# Altium PCB uTCA_MCH_PCB3.pcbdoc (part 14 of 25) (continued)
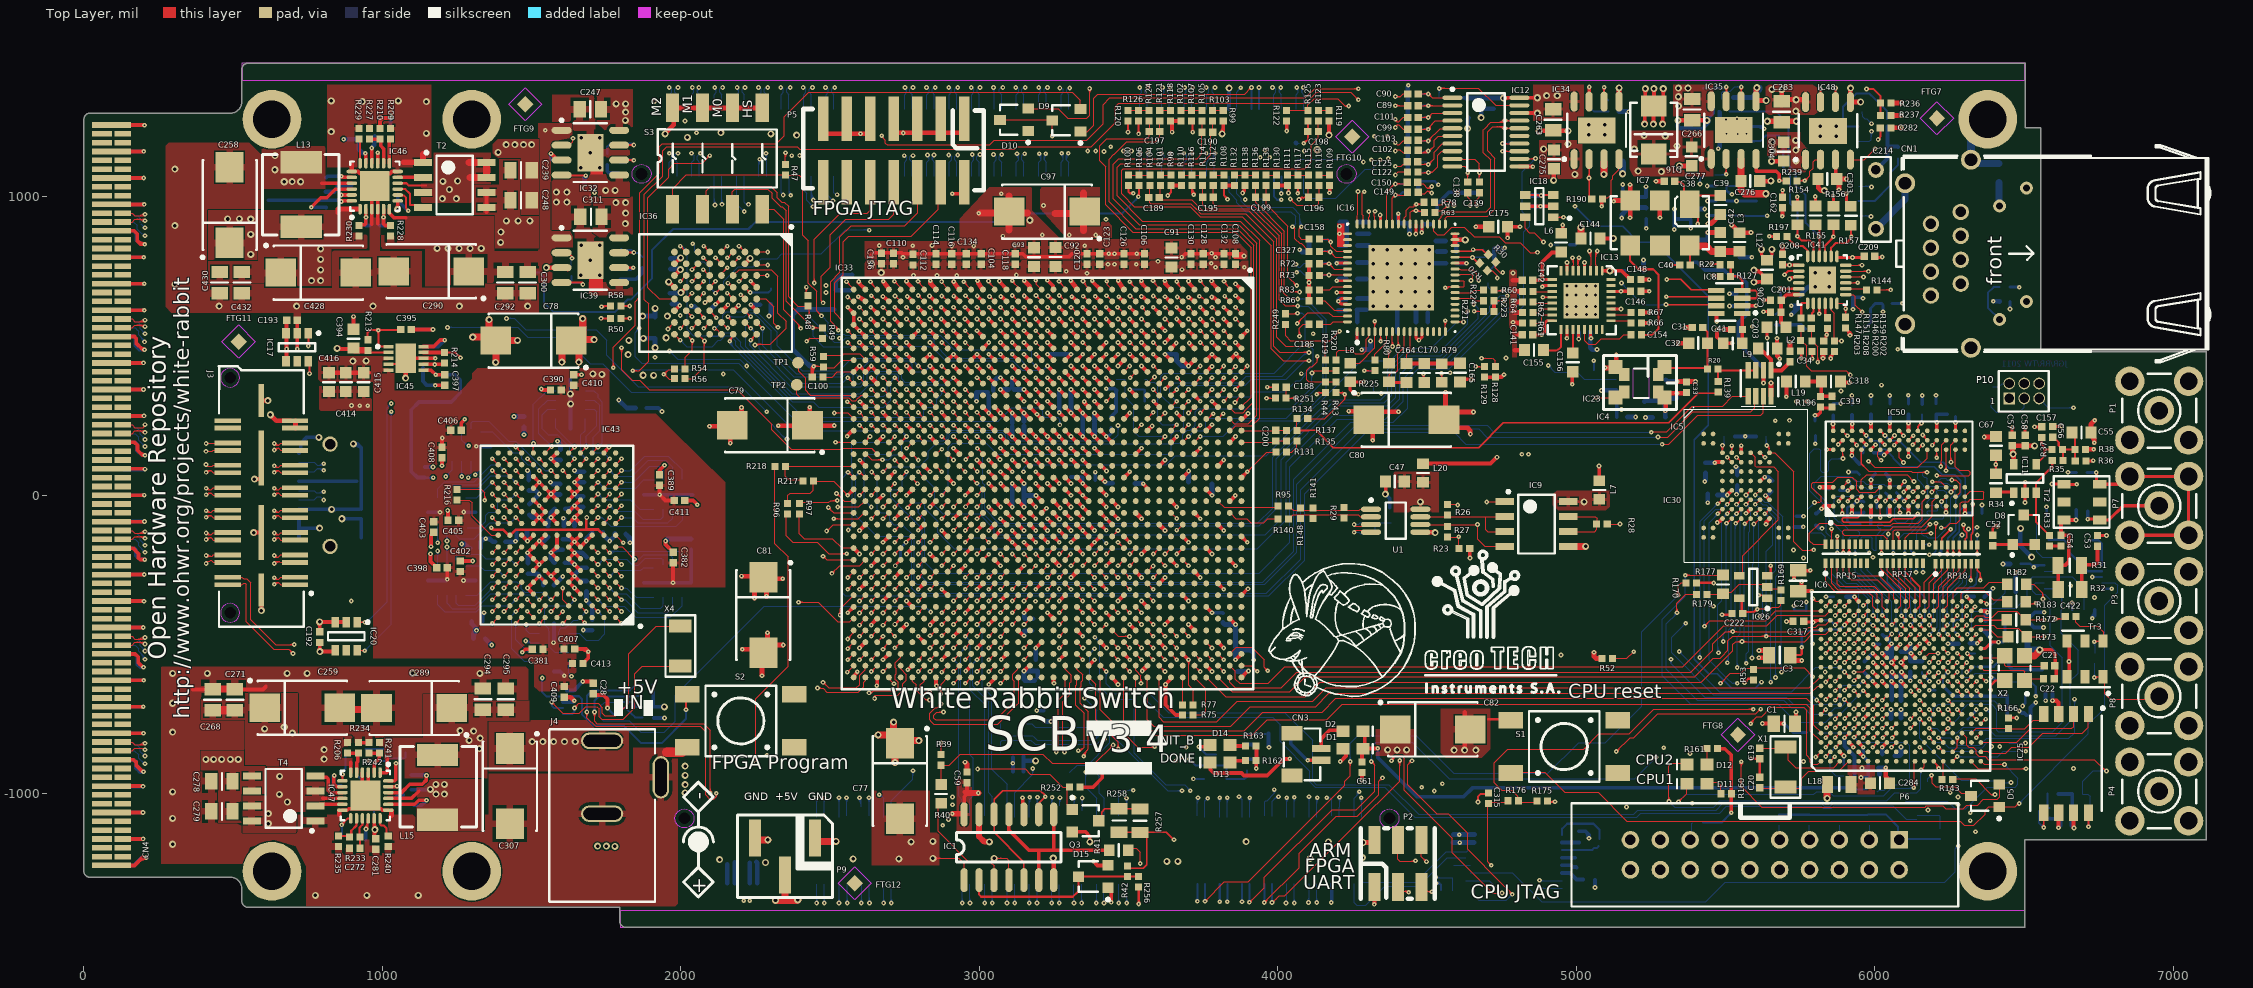
[diagram p0: Top Layer view]
## Nets (pads, with @x,y where several pads share a name; then routed paths per layer and width w, separated by ;. In a path a pad name is that pad's centre, name@x,y a point inside that pad or via, vN(x,y) a via of type N, cw(c..) or ccw(c..) an arc to the next point about the centre after c; other vN are vias at no path point) (continued)
  MidLayer2 w3.94: v1@5312.75,-545.04 ccw(c5302.67,-534.96) 5316.93,-534.96 ccw(c5331.19,-534.96) v1@5321.1,-545.04 ; v1(5316.93,-549.21) 5316.93,-265.95 5397.56,-185.32 5397.72,-185.32 5487.74,-95.29 5487.74,135.28 5519.16,166.7 v1@5521.76,166.7 ; 5507.08,154.62 cw(c5520.88,140.81) v1@5520.88,160.34 ; 5512.35,159.89 ccw(c5505.99,166.24) v1@5514.98,166.24 ; 5513.8,161.34 cw(c5520.88,154.25) v1@5520.88,164.27
  Bottom Layer w3.94: v1@5312.86,-553.49 cw(c5303.81,-562.99) 5316.93,-562.99 ; v1(5316.93,-549.21) 5316.93,-562.99 ; v1@5321,-553.49 ccw(c5330.05,-562.99) 5316.93,-562.99 ; 5946.45,-635.55 cw(c5961.34,-650.45) v1@5961.34,-629.39 ; 5953.17,-628.83 cw(c5961.34,-637.01) v1@5961.34,-625.45 ; 5953.25,-628.75 ccw(c5947.98,-623.48) v1@5955.43,-623.48 ; v1(5961.34,-623.48) 5958.52,-623.48 5945,-637 5894.87,-637 5884.5,-647.37 5884.5,-691.5 5875.75,-700.25 5727.25,-700.25 5703.29,-676.29 5430.23,-676.29 5316.93,-562.99
NAND_CE: IC26.2 R169.1 R177.1 R179.1 | length 267.6
  Top Layer w3.94: R179.1@5438.23,-331.85 5484.57,-331.85 5491.02,-325.39 5518.61,-325.39 5545,-299 5649.5,-299 IC26.2@5651.18,-297.32 ; IC26.2@5641.63,-313.03 5641.97,-313.37 R169.1@5681.86,-313.37
NAND_CLE: IC6.A7 IC30.D5 | length 1487.2
  Top Layer w3.94: v1@5536.63,120.97 cw(c5536.63,106.71) 5546.71,116.79 cw(c5556.8,126.87) v1@5542.54,126.87 ; v1(5536.63,126.87) IC30.D5@5552.38,111.12 ; v1@5805,-691.91 cw(c5805,-706.16) 5815.08,-696.08 cw(c5825.16,-686) v1@5810.91,-686 ; v1(5805,-686) 5819.61,-700.61 IC6.A7@5819.61,-702.22
  MidLayer2 w3.94: v1(5366.14,-429.13) 5424,-371.28 5424,-261.99 5550.23,-135.76 5550.23,112.73 v1@5535.8,127.16 ; v1@5366.14,-423.23 ccw(c5366.14,-408.97) 5376.22,-419.05 ccw(c5386.3,-429.13) v1@5372.05,-429.13 ; v1@5536.63,120.97 cw(c5536.63,108.03) 5545.78,117.18 ; v1@5542.54,126.87 ccw(c5558.11,126.87) 5547.1,115.86
  Bottom Layer w3.94: v1@5360.24,-429.13 cw(c5345.98,-429.13) 5356.06,-439.22 cw(c5366.14,-449.3) v1@5366.14,-435.04 ; v1(5366.14,-429.13) 5318.9,-476.38 5318.9,-527.56 5458.89,-667.55 5786.55,-667.55 v1(5805,-686) ; v1@5799.09,-686 ccw(c5784.84,-686) 5794.92,-675.92 ccw(c5805,-665.84) v1@5805,-680.09
NAND_OE: IC6.D10 IC30.D4 | length 1560.1
  Top Layer w3.94: v1@5505.14,120.97 cw(c5505.14,106.71) 5515.22,116.79 cw(c5525.3,126.87) v1@5511.04,126.87 ; v1(5505.14,126.87) IC30.D4@5520.88,111.12 ; v1@5897.48,-591.11 IC6.D10@5914.09,-607.73 ; v1@5898.33,-597.89 cw(c5898.33,-612.17) 5908.43,-602.07 ; v1@5904.24,-591.98 ccw(c5918.47,-591.98) 5908.41,-602.05
  MidLayer2 w3.94: v1@5340.31,-519.45 ccw(c5330.23,-509.36) 5344.49,-509.36 ccw(c5358.75,-509.36) v1@5348.66,-519.45 ; v1@5342.93,-522.07 v1(5344.49,-523.62) 5344.49,-419.94 5386.28,-378.15 5386.28,-246.99 5519.69,-113.58 5519.69,112.84 v1@5505.63,126.9 ; v1@5505.14,120.97 cw(c5505.14,105.45) 5516.11,116.42 ; v1@5511.04,126.87 ccw(c5524.04,126.87) 5514.85,117.68
  Bottom Layer w3.94: v1@5344.49,-529.53 cw(c5344.49,-543.78) 5354.57,-533.7 cw(c5364.65,-523.62) v1@5350.39,-523.62 ; v1(5344.49,-523.62) 5372.05,-551.18 5478.35,-657.48 5721.52,-657.48 5802,-577 5883.35,-577 v1(5898.33,-591.98) ; v1@5892.43,-591.98 ccw(c5878.17,-591.98) 5888.25,-581.9 ccw(c5898.33,-571.82) v1@5898.33,-586.08
NAND_RB: IC6.E8 IC30.C8 R168.1 | length 1218.1
  Top Layer w3.94: v1@5633.29,170.14 5646.87,156.56 ; v1@5638.01,160.65 cw(c5638.01,149.15) 5646.14,157.28 ; v1@5643.85,165.69 ccw(c5654.43,164.12) 5646.87,156.56 ; 5778.14,-184.08 ccw(c5778.14,-166.14) v1@5790.82,-178.82 ; 5783.35,-184.08 cw(c5783.35,-194.65) v1@5790.82,-187.18 ; v1@5794,-182 v1(5795,-183) ; v1@5795.93,-184.08 5757.43,-184.08 5728.79,-155.44 5728.79,79.24 5665.41,142.62 5646.87,142.62 5646.87,156.56 ; v1@5929.84,-660.88 cw(c5929.84,-675.14) 5939.92,-665.06 cw(c5950.01,-654.98) v1@5935.75,-654.98 ; v1(5929.84,-654.98) IC6.E8@5945.59,-670.72
  MidLayer1 w3.94: v1@5790.82,-187.18 cw(c5780.28,-197.72) 5795.19,-197.72 ; v1(5795,-183) 5795.19,-183.19 5795.19,-225.19 5947,-377 5947,-570 5939.5,-577.5 5919.5,-577.5 5913,-584 5913,-638.13 v1(5929.84,-654.98) ; 5795.19,-196.8 cw(c5808.8,-196.8) v1@5799.18,-187.18 ; v1@5923.94,-654.98 ccw(c5909.68,-654.98) 5919.76,-644.9 ccw(c5929.84,-634.81) v1@5929.84,-649.07
  Bottom Layer w3.94: v1@5633.83,170.73 ccw(c5629.27,175.3) 5635.73,175.3 ; v1@5635.73,166.68 R168.1@5635.73,197.54 ; 5635.73,176.82 ccw(c5648.28,176.82) v1@5639.4,167.95 ; R168.1@5635.73,186.33 ccw(c5657.78,186.33) v1@5642.19,170.73
  other v1: 5638.01,166.56
NAND_WE: IC6.E10 IC30.C7 | length 1079
  Top Layer w3.94: IC30.C7@5615.37,142.62 5616.2,142.62 v1(5631.79,127.03) ; v1@5625.88,127.03 ccw(c5611.63,127.03) 5621.71,137.11 ccw(c5631.79,147.19) v1@5631.79,132.94 ; v1(5930,-621) 5943.27,-607.73 IC6.E10@5945.59,-607.73 ; v1@5930,-615.09 ccw(c5930,-600.84) 5940.08,-610.92 ccw(c5950.16,-621) v1@5935.91,-621
  MidLayer1 w3.94: v1@5627.61,122.85 cw(c5615.7,110.94) 5632.55,110.94 ; v1@5632.03,128.2 5632.55,127.68 5632.55,98.36 5704,26.91 5704,-30.56 5703.99,-78.48 5761.65,-136.14 5780.55,-136.14 5830,-185.59 5830,-239.56 5877.44,-287 5915,-287 5978,-350 5978,-573 v1(5930,-621) ; 5632.55,114.61 cw(c5644.21,114.61) v1@5635.97,122.85 ; v1@5930,-615.09 ccw(c5930,-600.84) 5940.08,-610.92 ccw(c5950.16,-621) v1@5935.91,-621
NetC19_2: C19.2 IC6.C1 X1.1 | length 318.9
  Top Layer w4: C19.2@5614.04,-846.77 X1.1@5697.37,-846.77 ; X1.1@5710.28,-844.28 5710.28,-888.43 5734.5,-912.65 5861.45,-912.65 5882.6,-891.5 IC6.C1@5882.6,-891.2
NetC20_2: C20.2 IC6.D1 X1.2 | length 333.9
  Top Layer w4: C20.2@5615.88,-981.76 X1.2@5696.24,-981.76 ; X1.2@5710.9,-981.03 5745.91,-981.03 5755.1,-971.84 5755.1,-948.04 5778.48,-924.66 ; 5779.32,-924.63 5879.41,-924.63 5912.84,-891.2 IC6.D1@5914.09,-891.2
NetC21_2: C21.2 IC6.V12 X2.3 | length 235
  Top Layer w3.94: IC6.V12@6355.04,-544.74 6355.56,-544.22 6421.45,-544.22 X2.3@6421.97,-544.74 ; X2.3@6434.72,-537.93 6434.72,-570.25 6437.68,-573.2 6532.17,-573.2 ; 6532.2,-573.17 C21.2@6568.88,-573.17
NetC22_2: C22.2 IC6.V11 X2.1 | length 234.2
  Top Layer w3.94: IC6.V11@6355.04,-576.24 6364.57,-585.76 6497.01,-585.76 6502.68,-591.43 X2.1@6502.68,-601.83
  Top Layer w4: X2.1@6501.65,-620.61 6507.54,-614.72 C22.2@6569.06,-614.72
NetC31_2: C31.2 C32.2 IC4.1 IC23.1 R20.2 | length 274.8
  Top Layer w7: IC4.1@5299.14,426.44 R20.2@5438.54,426.44 ; C31.2@5423.58,562.05 5439.68,545.95 C32.2@5439.68,509.41 R20.2@5439.68,433.29
NetC34_2: C34.2 IC5.1 L2.1 | length 171.5
  Top Layer w12.6: L2.1@5609.21,495.55 5611.45,495.55 5652.17,454.83 IC5.1@5652.17,418.31 5686.93,418.31 C34.2@5715.51,446.89
NetC38_2: C38.2 C39.2 IC7.1 R22.2 | length 551.5
  Top Layer w6.89: C38.2@5327.72,1050 5350,1050 5360,1040 5360,995 5380.25,974.75 IC7.1@5380.25,974.12 ; v1@5403.87,912.13 ccw(c5396.31,919.69) 5407,919.69 ccw(c5417.69,919.69) v1@5410.13,912.13 ; v1(5407,909) 5407,948 5405,950 5404.37,950 IC7.1@5380.25,974.12 ; v1(5452,774) 5479.9,774 R22.2@5481.65,772.24 ; v1@5455.13,770.87 cw(c5462.69,763.31) 5462.69,774 cw(c5462.69,784.69) v1@5455.13,777.13 ; C39.2@5482.4,1003.86 5409.99,1003.86 IC7.1@5380.25,974.12
  MidLayer4 w6.89: v1@5403.87,905.87 cw(c5393.89,895.89) 5408,895.89 ; 5408,900.72 cw(c5415.28,900.72) v1@5410.13,905.87 ; v1@5408,908 5408,873 5452,829 v1(5452,774) ; v1@5448.87,777.13 ccw(c5441.31,784.69) 5452,784.69 ccw(c5462.69,784.69) v1@5455.13,777.13
NetC40_1: C40.1 C42.1 IC7.6 L3.1 | length 236.7
  Top Layer w7: IC7.6@5380.25,836.12 5381.26,835.11 C40.1@5381.26,772.8
  Top Layer w23.62: IC7.6@5381.37,835 5435,835 5453.15,816.85 L3.1@5546.77,816.85
NetC41_2: C41.2 IC8.1 L9.1 | length 104.8
  Top Layer w12: IC8.1@5555.67,608.9 5555.67,508.54 L9.1@5558.78,505.43
NetC43_1: C43.1 C45.2 C47.2 L20.1 U1.8 | length 0.4
  Top Layer w3.94: v2@4477.4,-22.27 v2(4477.71,-21.96)
NetC44_2: C44.2 C46.2 IC9.8 L7.1 | length 53.6
  Top Layer w3.94: IC9.8@4972.84,-21.6 5025.57,-21.6 v2(5026.19,-22.22)
NetC52_2: C52.2 D8.1 D8.2 | length 143.4
  Top Layer w10: C52.2@6394.76,-169.61 6399.65,-164.72 D8.1@6461.31,-164.72 D8.2@6536.12,-164.72
NetC53_1: C53.1 R31.1 R32.1 | length 181
  Top Layer w12.6: R32.1@6693.04,-315.3 R31.1@6693.04,-239.72 ; R31.1@6696.1,-233.04 6738.18,-233.04 6745.72,-225.5 C53.1@6745.72,-173.67 ; C53.1@6744.97,-170.01 C53.1@6745.55,-170.59
NetC54_1: C54.1 R31.2 R32.2 R152.1 Tr2.1 | length 363.4
  Top Layer w12.6: R31.2@6613.65,-234.87 R31.2@6614.3,-234.87 ; R32.2@6614.3,-315.3 R31.2@6614.3,-234.87 ; C54.1@6623.35,-134.45 C54.1@6623.5,-134.3 ; 6649.12,-223.2 6637.45,-234.87 R31.2@6614.3,-234.87 ; 6649.17,-222.76 6649.17,-136.39 6647.08,-134.3 C54.1@6623.5,-134.3 ; v1@6673.87,-82.87 Tr2.1@6633.62,-82.87 6623.5,-93 C54.1@6623.5,-134.3
  Bottom Layer w12.6: v1(6674,-83) 6674.72,-82.28 R152.1@6674.72,-49.65
NetC54_2: C54.2 R33.1 | length 38.4
  Top Layer w10: R33.1@6584.88,-169.8 C54.2@6623.27,-169.8
NetC55_2: C55.2 C56.2 R35.2 R36.2 R37.2 R38.1 | length 234.7
  Top Layer w6.89: C56.2@6596.42,194.72 6598.28,194.72 6616,177 6616,165.97 R37.2@6628.78,153.19 ; R35.2@6629.65,115.91 6629.65,152.32 R37.2@6628.78,153.19 ; C55.2@6660.87,210.12 6670.75,200.24 R38.1@6670.75,153.07 6670.75,115.91 R36.2@6671.38,115.28 ; R38.1@6670.63,153.19 R37.2@6628.78,153.19
NetC89_2: C89.2 IC12.2 R92.1 | length 185.6
  Top Layer w3.94: C89.2@4470.47,1305.12 v1@4500,1305.12 ; v1@4499.76,1300.94 ccw(c4489.68,1290.86) 4489.68,1305.12 ccw(c4489.68,1319.38) v1@4499.76,1309.29 ; v1(4503.94,1305.12) IC12.2@4564.96,1305.12 ; v1@4508.11,1300.94 cw(c4518.19,1290.86) 4518.19,1305.12 cw(c4518.19,1319.38) v1@4508.11,1309.29
  Bottom Layer w6.89: R92.1@4470.47,1305.12 v1(4503.94,1305.12) ; v1@4500.81,1301.99 ccw(c4493.24,1294.43) 4493.24,1305.12 ccw(c4493.24,1315.81) v1@4500.81,1308.25
NetC90_2: C90.2 IC12.1 R93.1 | length 214.5
  Top Layer w3.94: C90.2@4470.47,1344.49 v1(4503.94,1344.49) 4516.73,1331.69 IC12.1@4584.65,1331.69 ; v1@4499.76,1340.31 ccw(c4489.68,1330.23) 4489.68,1344.49 ccw(c4489.68,1358.74) v1@4499.76,1348.66 ; v1@4503.94,1338.58 cw(c4503.94,1324.33) 4514.02,1334.41 cw(c4524.1,1344.49) v1@4509.84,1344.49
  Bottom Layer w6.89: R93.1@4470.47,1344.49 v1(4503.94,1344.49) ; v1@4500.81,1341.36 ccw(c4493.24,1333.79) 4493.24,1344.49 ccw(c4493.25,1355.18) v1@4500.81,1347.62
NetC99_2: C99.2 IC12.4 R89.1 | length 204.6
  Top Layer w3.94: C99.2@4470.47,1226.38 v1@4501.97,1226.38 ; v1@4499.76,1222.2 ccw(c4489.68,1212.12) 4489.68,1226.38 ccw(c4489.68,1240.63) v1@4499.76,1230.55 ; v1@4503.94,1230.31 4527.56,1253.94 IC12.4@4561.02,1253.94 ; v1@4503.94,1232.28 ccw(c4503.94,1237.04) 4507.3,1233.68 ; v1@4505.91,1226.38 cw(c4520.16,1226.38) 4510.08,1236.46 ; v1@4509.84,1226.38 cw(c4533.6,1226.38) 4516.8,1243.18
  Bottom Layer w6.89: R89.1@4470.47,1226.38 v1(4503.94,1226.38) ; v1@4500.81,1223.25 ccw(c4493.24,1215.68) 4493.24,1226.38 ccw(c4493.24,1237.07) v1@4500.81,1229.51
NetC101_2: C101.2 IC12.3 R91.1 | length 189.3
  Top Layer w3.94: C101.2@4470.47,1265.75 v1@4500,1265.75 ; v1@4499.76,1261.57 ccw(c4489.68,1251.49) 4489.68,1265.75 ccw(c4489.68,1280.01) v1@4499.76,1269.92 ; v1(4503.94,1265.75) 4517.72,1279.53 IC12.3@4564.96,1279.53 ; v1@4503.94,1271.65 ccw(c4503.94,1285.91) 4514.02,1275.83 ccw(c4524.1,1265.75) v1@4509.84,1265.75
  Bottom Layer w6.89: R91.1@4470.47,1265.75 v1@4501.97,1265.75 ; v1@4500.81,1262.62 ccw(c4493.25,1255.06) 4493.25,1265.75 ccw(c4493.24,1276.44) v1@4500.81,1268.88
NetC102_2: C102.2 IC12.6 R88.1 | length 271.5
  Top Layer w3.94: C102.2@4470.47,1147.64 v1@4500,1147.64 ; C102.2@4475.42,1147.64 ccw(c4475.42,1182.05) v1@4499.75,1157.72 ; 4484.92,1147.64 ccw(c4484.92,1172.55) v1@4502.54,1154.93 ; 4494.43,1147.64 ccw(c4494.43,1163.04) v1@4505.32,1152.15 ; v1@4503.94,1149.61 4523.62,1169.29 4523.62,1188.98 4537.4,1202.76 IC12.6@4555.12,1202.76 ; v1@4503.93,1155.51 ccw(c4503.93,1169.78) 4514.02,1159.69 ; v1@4503.93,1159.45 ccw(c4503.93,1183.22) 4520.74,1166.41 ; v1@4509.83,1153.54 cw(c4514.57,1153.54) 4511.22,1156.89
  Bottom Layer w6.89: R88.1@4470.47,1147.64 v1@4500,1147.64 ; R88.1@4478.98,1147.64 ccw(c4478.98,1178.49) v1@4500.8,1156.67 ; 4495.62,1147.64 ccw(c4495.62,1161.85) v1@4505.67,1151.8
  other v1: 4503.93,1153.54
NetC103_2: C103.2 IC12.5 R87.1 | length 221.2
  Top Layer w3.94: C103.2@4470.47,1187.01 v1(4503.94,1187.01) ; v1@4499.76,1182.83 ccw(c4489.68,1172.75) 4489.68,1187.01 ccw(c4489.68,1201.26) v1@4499.76,1191.18 ; v1@4503.94,1188.98 4543.31,1228.35 IC12.5@4574.8,1228.35 ; v1@4503.94,1192.91 ccw(c4503.94,1202.42) 4510.66,1195.7 ; v1@4505.91,1187.01 cw(c4515.41,1187.01) 4508.69,1193.73 ; v1@4509.84,1187.01 cw(c4528.85,1187.01) 4515.41,1200.45
  Bottom Layer w6.89: R87.1@4470.47,1187.01 v1@4501.97,1187.01 ; v1@4500.81,1183.88 ccw(c4493.24,1176.31) 4493.24,1187.01 ccw(c4493.24,1197.7) v1@4500.81,1190.14
NetC122_2: C122.2 IC12.8 R85.1 | length 260.7
  Top Layer w3.94: C122.2@4473.32,1082.39 4474.49,1081.22 v1(4504.25,1081.22) ; v1@4500.07,1077.04 ccw(c4489.99,1066.96) 4489.99,1081.22 ccw(c4489.99,1095.48) v1@4500.07,1085.4 ; v1@4506.81,1082.41 4517.45,1082.41 ; v1@4508.43,1085.4 ccw(c4515.63,1092.6) 4515.63,1082.41 ; v1@4509.18,1077.96 cw(c4517.45,1072.49) 4517.45,1082.41 ; IC12.8@4584.65,1152.56 4548.23,1152.56 4535.43,1139.76 4535.43,1100.39 4517.45,1082.41
  Bottom Layer w3.94: R85.1@4470.63,1073.33 4479.59,1082.29 4501.25,1082.29 v1@4502.95,1080.59 ; 4487.41,1082.29 cw(c4487.41,1064.38) v1@4500.07,1077.04 ; 4492.58,1082.29 ccw(c4492.58,1092.89) v1@4500.07,1085.4
NetC125_2: C125.2 IC12.7 R84.1 | length 224.4
  Top Layer w3.94: C125.2@4470.47,1108.27 v1@4501.97,1108.27 ; v1@4499.76,1104.09 ccw(c4489.68,1094.01) 4489.68,1108.27 ccw(c4489.68,1122.52) v1@4499.76,1112.44 ; v1(4503.94,1108.27) 4523.62,1127.95 4523.62,1149.61 4551.18,1177.17 IC12.7@4564.96,1177.17 ; v1@4503.94,1114.17 ccw(c4503.94,1128.43) 4514.02,1118.35 ccw(c4524.1,1108.27) v1@4509.84,1108.27
  Bottom Layer w3.94: R84.1@4470.1,1118.48 4471.94,1116.64 4496.49,1116.64 ; v1@4498.25,1109.87 ccw(c4491.6,1111.75) 4496.49,1116.64 ; v1@4499.15,1113.98 4496.49,1116.64 ; v1@4503.39,1114.15 cw(c4502.59,1122.74) 4496.49,1116.64
NetC138_2: C138.2 IC12.10 R82.1 | length 179.5
  Top Layer w3.94: IC12.10@4596.46,1102.36 4625.98,1102.36 4635.83,1092.52 ; v1@4631.65,1076.53 cw(c4621.57,1066.45) 4635.83,1066.45 cw(c4650.08,1066.45) v1@4640,1076.53 ; v1@4632.28,1085.43 ccw(c4626.97,1092.52) 4635.83,1092.52 ; C138.2@4635.83,1049.21 v1(4635.83,1080.71) 4635.83,1092.52 ; v1@4639.37,1085.43 cw(c4644.68,1092.52) 4635.83,1092.52
  Bottom Layer w3.94: v1@4631.65,1076.53 cw(c4621.57,1066.45) 4635.83,1066.45 cw(c4650.08,1066.45) v1@4640,1076.53 ; R82.1@4635.83,1049.21 v1(4635.83,1080.71)
NetC139_2: C139.2 IC12.9 R81.1 | length 239.1
  Top Layer w3.94: IC12.9@4602.36,1125.98 4659.45,1125.98 4675.2,1110.24 v1(4675.2,1080.71) C139.2@4675.2,1049.21 ; v1@4671.02,1076.53 cw(c4660.94,1066.45) 4675.2,1066.45 cw(c4689.45,1066.45) v1@4679.37,1076.53 ; v1@4671.02,1084.88 ccw(c4660.94,1094.97) 4675.2,1094.97 ccw(c4689.45,1094.97) v1@4679.37,1084.88
  Bottom Layer w3.94: v1@4671.02,1076.53 cw(c4660.94,1066.45) 4675.2,1066.45 cw(c4689.45,1066.45) v1@4679.37,1076.53 ; R81.1@4675.2,1049.21 v1(4675.2,1080.71)
NetC140_1: C140.1 C141.2 C142.2 IC13.9 IC13.16 IC13.18 L6.1 | length 338.5
  Top Layer w9.84: C141.2@4854.33,537.4 v1(4883.86,537.4) 4893.7,547.24 4893.7,576.77 4901.57,584.65 IC13.16@4923.23,584.65 ; v1(4885.82,722.44) IC13.9@4919.29,722.44 ; v1@4968.5,527.88 IC13.18@4968.5,555.12
  Top Layer w12.6: C142.2@4854.33,720.47 v1@4883.85,720.47 ; 4877.27,720.47 ccw(c4877.27,730.99) v1@4884.7,723.55 ; v1@4885.83,722.82 4885.83,781.5 4917.93,813.59 L6.1@4948.08,813.59
  other v1: 4968.25,525.78
NetC149_2: C149.2 IC16.42 R68.1 | length 249.3
  Top Layer w3.94: IC16.42@4383.86,908.46 4383.86,995.88 ; v1@4387.8,1005.55 cw(c4374.35,1005.32) 4383.86,995.81 ; v1@4393.6,999.75 ccw(c4393.37,986.3) 4383.86,995.81 ; v1@4397.88,1001.48 cw(c4407.96,991.4) 4407.96,1005.66 cw(c4407.96,1019.91) v1@4397.88,1009.83 ; C149.2@4435.04,1005.66 v1(4393.7,1005.66) 4383.86,995.81
  Bottom Layer w6.89: v1@4393.2,1004.91 4407.42,1004.91 4417.66,1015.15 R68.1@4434.81,1015.15 ; v1@4396.83,1002.52 cw(c4402.58,996.77) 4402.58,1004.91 ; v1@4396.83,1008.79 ccw(c4406.2,1018.16) 4406.2,1004.91
NetC150_2: C150.2 IC16.43 R71.1 | length 298.2
  Top Layer w3.94: IC16.43@4364.17,905.51 4364.17,1017.94 ; 4364.17,1017.47 4389.76,1043.06 v1(4393.7,1043.06) C150.2@4429.13,1043.06 ; 4376.9,1030.19 cw(c4393.7,1013.39) v1@4393.7,1037.15 ; 4383.62,1036.91 cw(c4393.7,1026.83) v1@4393.7,1041.09 ; 4386.4,1039.7 ccw(c4383.04,1043.06) v1@4387.8,1043.06 ; v1@4397.88,1038.88 cw(c4407.96,1028.8) 4407.96,1043.06 cw(c4407.96,1057.31) v1@4397.88,1047.23
  Bottom Layer w6.89: v1@4396.83,1039.93 cw(c4402.58,1034.18) 4402.58,1042.31 ; v1@4396.83,1046.19 ccw(c4406.21,1055.56) 4406.21,1042.31 ; v1@4397.14,1042.31 R71.1@4434.54,1042.31
NetC152_2: C152.2 IC16.55 R72.1 | length 184.9
  Top Layer w3.94: R72.1@4143.7,775.59 v1(4171.26,775.59) 4188.98,757.87 IC16.55@4233.27,757.87 ; v1@4167.08,771.41 ccw(c4157,761.33) 4157,775.59 ccw(c4157,789.85) v1@4167.08,779.77 ; v1@4171.26,769.69 cw(c4171.26,755.43) 4181.34,765.51 cw(c4191.42,775.59) v1@4177.17,775.59
  Bottom Layer w6.89: C152.2@4139.76,777.56 v1@4169.29,777.56 ; 4155.82,777.56 cw(c4155.82,760.15) v1@4168.13,772.46
NetC153_2: C153.2 IC16.56 R73.1 | length 184.6
  Top Layer w3.94: R73.1@4141.73,738.19 v1(4171.26,738.19) IC16.56@4233.27,738.19 ; v1@4167.08,734.01 ccw(c4157,723.93) 4157,738.19 ccw(c4157,752.45) v1@4167.08,742.36 ; v1@4175.44,734.01 cw(c4185.51,723.93) 4185.51,738.19 cw(c4185.52,752.45) v1@4175.44,742.36
  Bottom Layer w6.89: C153.2@4139.76,738.19 v1(4171.26,738.19) ; v1@4168.13,735.06 ccw(c4160.57,727.5) 4160.57,738.19 ccw(c4160.57,748.88) v1@4168.13,741.32
NetC154_1: C154.1 IC13.21 | length 211.3
  Top Layer w3.94: IC13.21@5027.56,555.12 5027.56,517.72 5039.86,505.41 5064.47,505.41 5082.68,523.62 5145.66,523.62 5159.44,537.4 C154.1@5183.07,537.4
NetC154_2: C154.2 IC7.4 | length 410.8
  Top Layer w7: IC7.4@5180.25,836.12 5180.25,784.75 5208,757 5257,757 5274.96,739.04 5274.96,558.36 5254,537.4 C154.2@5218.5,537.4
NetC155_1: C155.1 IC13.17 | length 110
  Top Layer w3.94: IC13.17@4948.82,551.18 IC13.17@4948.82,555.12
  Top Layer w6.89: C155.1@4905.51,484.25 4935.04,484.25 4948.82,498.03 IC13.17@4948.82,555.12
NetC156_1: C156.1 IC13.19 | length 69.7
  Top Layer w6.89: C156.1@4988.19,483.46 IC13.19@4988.19,553.15
NetC157_1: C157.1 IC11.4 R37.1 | length 131.3
  Top Layer w6.89: IC11.4@6540.43,103.31 6569,131.87 6569,152 ; C157.1@6559.06,193.82 6559.06,170.94 6569,161 6569,152 ; R37.1@6593.35,153.19 6570.19,153.19 6569,152
NetC158_2: C158.2 IC16.52 R246.1 | length 196.2
  Top Layer w3.94: C158.2@4139.76,858.27 4167.32,858.27 ; v1@4171.26,848.53 ccw(c4157.81,848.76) 4167.32,858.27 ; v1@4175.2,850.39 4167.32,858.27 ; v1@4177.06,854.33 cw(c4176.83,867.78) 4167.32,858.27 ; v1@4177.85,850.67 4177.85,834.52 4195.44,816.93 IC16.52@4233.27,816.93
  Bottom Layer w6.89: R246.1@4139.76,856.3 4169.29,856.3 v1(4177.17,848.43) ; 4164.1,856.3 cw(c4164.1,835.36) v1@4178.91,850.17
NetC160_1: C160.1 C161.2 C163.2 IC16.4 L8.1 | length 214.9
  Top Layer w3.94: L8.1@4242.13,442.91 4273.71,442.91 4324.8,494 IC16.4@4324.8,548.23 v1@4324.8,582.68 ; v1@4320.31,578.57 cw(c4309.47,567.73) 4324.8,567.73 ; 4324.8,569.25 cw(c4337.98,569.25) v1@4328.66,578.57
  other v1: 4324.49,582.75
NetC164_1: C164.1 C165.2 C170.1 IC16.10 R79.1 | length 297.2
  Top Layer w3.94: C164.1@4431.1,440.94 4431.1,472.44 4442.91,484.25 IC16.10@4442.91,548.23
  Top Layer w12.6: C164.1@4431.1,440.94 C170.1@4490.16,440.94 4608.27,440.94 C165.2@4616.14,440.94
NetC164_2: C164.2 IC16.9 R80.1 | length 244.7
  Top Layer w3.94: R80.1@4372.99,387.32 4372.99,403.9 4380.67,411.57 4394.13,411.57 4401.57,419.02 4401.57,474.41 4423.23,496.06 IC16.9@4423.23,548.23
  Top Layer w10.83: R80.1@4375.99,377.95 C164.2@4431.1,377.95
NetC166_2: C166.2 IC41.22 R155.1 Tr1.8 | length 795.5
  Top Layer w6.89: R155.1@5801.12,905.91 5813.98,893.06 IC41.22@5813.98,800.13 ; v1@5810.87,863.87 cw(c5803.37,856.37) 5813.98,856.37 ; v1@5810.87,870.13 ccw(c5803.37,877.63) 5813.98,877.63 ; 5813.98,856.25 cw(c5824.75,856.25) v1@5817.13,863.87 ; 5813.98,877.75 ccw(c5824.75,877.75) v1@5817.13,870.13
  Bottom Layer w6.89: C166.2@5512.6,1285.12 Tr1.8@5564.45,1285.12 ; Tr1.8@5565.28,1285.94 5668.06,1285.94 5710,1244 5710,1107 5735,1082 5735,1038 5768,1005 5768,913 v1(5814,867) ; v1@5809.57,867 ccw(c5798.88,867) 5806.44,874.56 ccw(c5814,882.12) v1@5814,871.43
NetC168_1: C168.1 R79.2 | length 101.3
  Top Layer w3.94: v1@4543.82,404.82 cw(c4530.82,391.82) R79.2@4549.21,391.82 ; v1(4548,409) 4548.76,409 4549.21,409.45 R79.2@4549.21,379.92 ; 4549.21,397.67 cw(c4559.33,397.67) v1@4552.18,404.82
  Bottom Layer w3.94: v1@4543.82,404.82 cw(c4530.82,391.82) C168.1@4549.21,391.82 ; C168.1@4549.21,383.86 v1@4549.21,409.45 ; C168.1@4549.21,397.67 cw(c4559.33,397.67) v1@4552.18,404.82
NetC168_2: C168.2 C170.2 IC16.5 R80.2 | length 491.6
  Top Layer w3.94: v1@4340.31,519.92 ccw(c4330.23,530) 4344.49,530 ccw(c4358.75,530.01) v1@4348.66,519.92 ; v1(4344.49,515.75) IC16.5@4344.49,548.23 ; v1@4367.87,478.11 cw(c4357.79,468.03) 4372.05,468.03 cw(c4386.31,468.03) v1@4376.22,478.11 ; R80.2@4372.05,442.91 v1(4372.05,482.28) ; v1@4483.82,402.82 cw(c4473.28,392.28) C170.2@4488.19,392.28 ; C170.2@4488.19,383.86 v1@4488.19,409.45 ; C170.2@4488.19,393.2 cw(c4501.8,393.2) v1@4492.18,402.82 ; C170.2@4490.16,377.95 C170.2@4490.16,381.89
  MidLayer1 w3.94: v1@4344.49,509.84 cw(c4344.49,495.59) 4354.57,505.67 cw(c4364.65,515.75) v1@4350.39,515.75 ; v1(4344.49,515.75) 4356.3,503.94 4356.3,496.06 v1@4370.08,482.28 ; 4358.6,493.76 ccw(c4372.05,507.2) v1@4372.05,488.19 ; 4363.36,489 cw(c4356.64,482.28) v1@4366.14,482.28 ; 4365.32,487.04 ccw(c4372.05,493.76) v1@4372.05,484.25
  MidLayer4 w6.89: v1(4372.05,482.28) 4416.06,482.28 v1@4490.51,407.83 ; v1@4375.18,479.15 cw(c4382.74,471.59) 4382.74,482.28 cw(c4382.74,492.98) v1@4375.18,485.42 ; 4478.07,420.27 cw(c4464.8,407) v1@4483.57,407
  Bottom Layer w6.89: v1@4484.87,403.87 cw(c4476.85,395.85) C168.2@4488.19,395.85 ; C168.2@4488.19,377.95 v1@4488.19,407 ; C168.2@4488.19,396.77 cw(c4498.23,396.76) v1@4491.13,403.87
  other v1: 4488,407
NetC185_1: C185.1 IC4.3 IC23.3 | length 1283
  Top Layer w3.94: v1@4068.27,536.85 ccw(c4058.18,546.93) 4072.44,546.93 ccw(c4086.7,546.93) v1@4076.62,536.85 ; v1(4072.44,532.68) 4072.44,560.24 4085.04,572.83 C185.1@4104.33,572.83 ; v1(5066.49,327.07) 5066.66,327.24 IC4.3@5130.53,327.24
  MidLayer1 w3.94: 4234.55,530.45 4242.55,538.45
  MidLayer1 w7: v1@4072.44,528.3 cw(c4072.44,517.74) 4079.91,525.21 cw(c4087.37,532.68) v1@4076.81,532.68 ; v1@4075,532.68 4075,530.12 4083.12,522 4228.34,522 4262.83,556.5 4753.14,556.5 4818.89,490.75 4901.62,490.75 v1@5064.16,328.2
NetC185_2: C185.2 IC16.64 | length 96.8
  Top Layer w3.94: C185.2@4139.76,572.83 4177.17,572.83 4185.04,580.71 IC16.64@4233.27,580.71
NetC188_2: C188.2 IC16.63 | length 560.2
  Top Layer w3.94: v1@3964.68,362.13 v1(3964.78,362.23) C188.2@3992.25,362.23 ; v1@3968.96,358.05 cw(c3979.04,347.97) 3979.04,362.23 cw(c3979.04,376.49) v1@3968.96,366.41 ; v1@4063.94,575.43 4100.71,612.2 4171.26,612.2 4183.07,600.39 IC16.63@4233.27,600.39 ; v1@4064.95,581.09 ccw(c4064.95,592.3) 4072.88,584.37 ; v1@4070.86,575.18 cw(c4088.15,575.18) 4075.92,587.41
  MidLayer3 w3.94: v1@3960.6,366.41 ccw(c3950.52,376.49) 3964.78,376.49 ccw(c3979.04,376.49) v1@3968.96,366.41 ; v1(3964.78,362.23) 3964.78,474.16 v1@4064.95,574.33 ; 4054.27,563.65 ccw(c4042.74,575.18) v1@4059.04,575.18 ; 4056.32,565.7 cw(c4064.95,557.07) v1@4064.95,569.27
  other v1: 4064.95,575.18
NetC201_2: C201.2 C203.2 C206.2 IC41.6 | length 164.8
  Top Layer w12.6: C203.2@5702.16,562.44 5685.75,578.86 C206.2@5685.75,613.27 5685.75,653.31 C201.2@5686.02,653.58 5704.61,672.17 IC41.6@5745.08,672.17
NetC202_2: C202.2 IC41.23 R154.1 Tr1.6 | length 732.4
  Top Layer w6.89: v1@5737.36,870.64 ccw(c5729.79,878.21) 5740.49,878.21 ccw(c5751.18,878.21) v1@5743.62,870.64 ; v1@5740.49,863.08 cw(c5740.49,852.39) 5748.05,859.95 cw(c5755.61,867.51) v1@5744.92,867.51 ; R154.1@5740.49,905.91 v1(5740.49,867.51) 5755,853 5783,853 5794.29,841.71 IC41.23@5794.29,800.13
  Bottom Layer w6.89: C202.2@5511.02,1186.02 Tr1.6@5565.2,1186.02 ; Tr1.6@5565.28,1185.94 5596.94,1185.94 5597.26,1186.26 5616.13,1186.26 5634.38,1204.51 5678.14,1204.51 5693,1189.65 5693,1098 5716,1075 5716,977 5740.49,952.51 v1(5740.49,867.51) ; v1@5737.36,870.64 ccw(c5729.79,878.21) 5740.49,878.21 ccw(c5751.18,878.21) v1@5743.62,870.64
NetC204_2: C204.2 IC41.20 R157.1 Tr1.3 | length 796
  Top Layer w6.89: IC41.20@5853.35,800.13 5853.35,829.35 5869,845 5905,845 5919.54,859.54 R157.1@5919.54,904.61 ; 5909.9,849.9 ccw(c5893.81,866) v1@5916.57,866 ; 5919.54,880.21 ccw(c5935.21,880.21) v1@5924.13,869.13
  MidLayer4 w6.89: v1@5522.88,1007.71 5577.23,1007.71 5602.94,982 5805,982 v1(5921,866) ; v1@5524.27,1004.98 cw(c5530.87,998.38) 5530.87,1007.71 ; v1@5524.27,1011.24 ccw(c5532.8,1019.77) 5532.8,1007.71 ; v1@5916.57,866 ccw(c5905.88,866) 5913.44,873.56 ccw(c5921,881.12) v1@5921,870.43
  Bottom Layer w6.89: C204.2@5502.96,1040.48 5502.96,1021.05 v1@5519.39,1004.62 ; C204.2@5503.94,1036.06 5565.16,1036.06 Tr1.3@5565.28,1035.94 ; 5504.63,1019.38 ccw(c5521.14,1035.88) v1@5521.14,1012.54
  other v1: 5521.14,1008.11
NetC205_2: C205.2 IC41.21 R156.1 Tr1.1 | length 630.9
  Top Layer w6.89: IC41.21@5833.66,800.13 5833.66,836.66 5861.51,864.51 R156.1@5861.51,905.52 ; 5852.02,855.02 ccw(c5841.05,866) v1@5856.57,866 ; v1@5857.87,869.13 ccw(c5849.07,877.93) 5861.51,877.93 ; 5861.51,875.46 ccw(c5870.46,875.46) v1@5864.13,869.13
  MidLayer4 w6.89: v1(5639,936) 5669,966 5799,966 5861,904 v1(5861,866) ; v1@5639,940.43 ccw(c5639,951.12) 5646.56,943.56 ccw(c5654.12,936) v1@5643.43,936 ; v1@5857.87,869.13 ccw(c5850.31,876.69) 5861,876.69 ccw(c5871.69,876.69) v1@5864.13,869.13
  Bottom Layer w6.89: C205.2@5503.23,937.56 5563.66,937.56 5565.28,935.94 5638.94,935.94 v1(5639,936) ; 5628.17,935.94 ccw(c5628.17,946.83) v1@5635.87,939.13 ; 5628.44,935.94 cw(c5628.44,925.44) v1@5635.87,932.87
NetC207_1: C207.1 IC46.8 | length 152
  Top Layer w6.89: IC46.8@1053.15,1003.94 1072.83,1003.94 1078.74,998.03 1078.74,962.6 ; v1@1082.2,953.13 ccw(c1070.28,954.14) 1078.74,962.6 ; v1@1084.65,956.69 1078.74,962.6
  Bottom Layer w12.6: C207.1@1051.18,1007.87 1051.18,988.19 v1(1086.61,952.76)
NetC207_2: C207.2 IC46.10 L11.1 T2.3 T2.7 T2.8 | length 260.6
  Top Layer w6.89: IC46.10@1051.18,1045.28 1080.71,1045.28 1088.58,1037.4 1145.32,1037.4
  Top Layer w23.62: 1290.51,1114.37 T2.8@1348.42,1114.37 T2.7@1348.42,1064.37 1293.15,1064.37
  other v2: 1200.79,994.09 1248.03,994.09 1224.75,1024.31 1202.7,1051.44 1252.27,1052.75
NetC214_1: C214.1 R253.2 R254.2 | length 194.2
  Bottom Layer w12.6: C214.1@6003.62,1089.84 6042.05,1128.27 6042.05,1175.21 R254.2@6042.05,1235.16 ; 6045.04,1168.1 6076.6,1168.1 R253.2@6077.61,1167.09